# KiCad board EastECHO.kicad_pcb
title: EchoEAST; date: 2025-09-07; rev: 0.1; company: _RoseDaggerDev
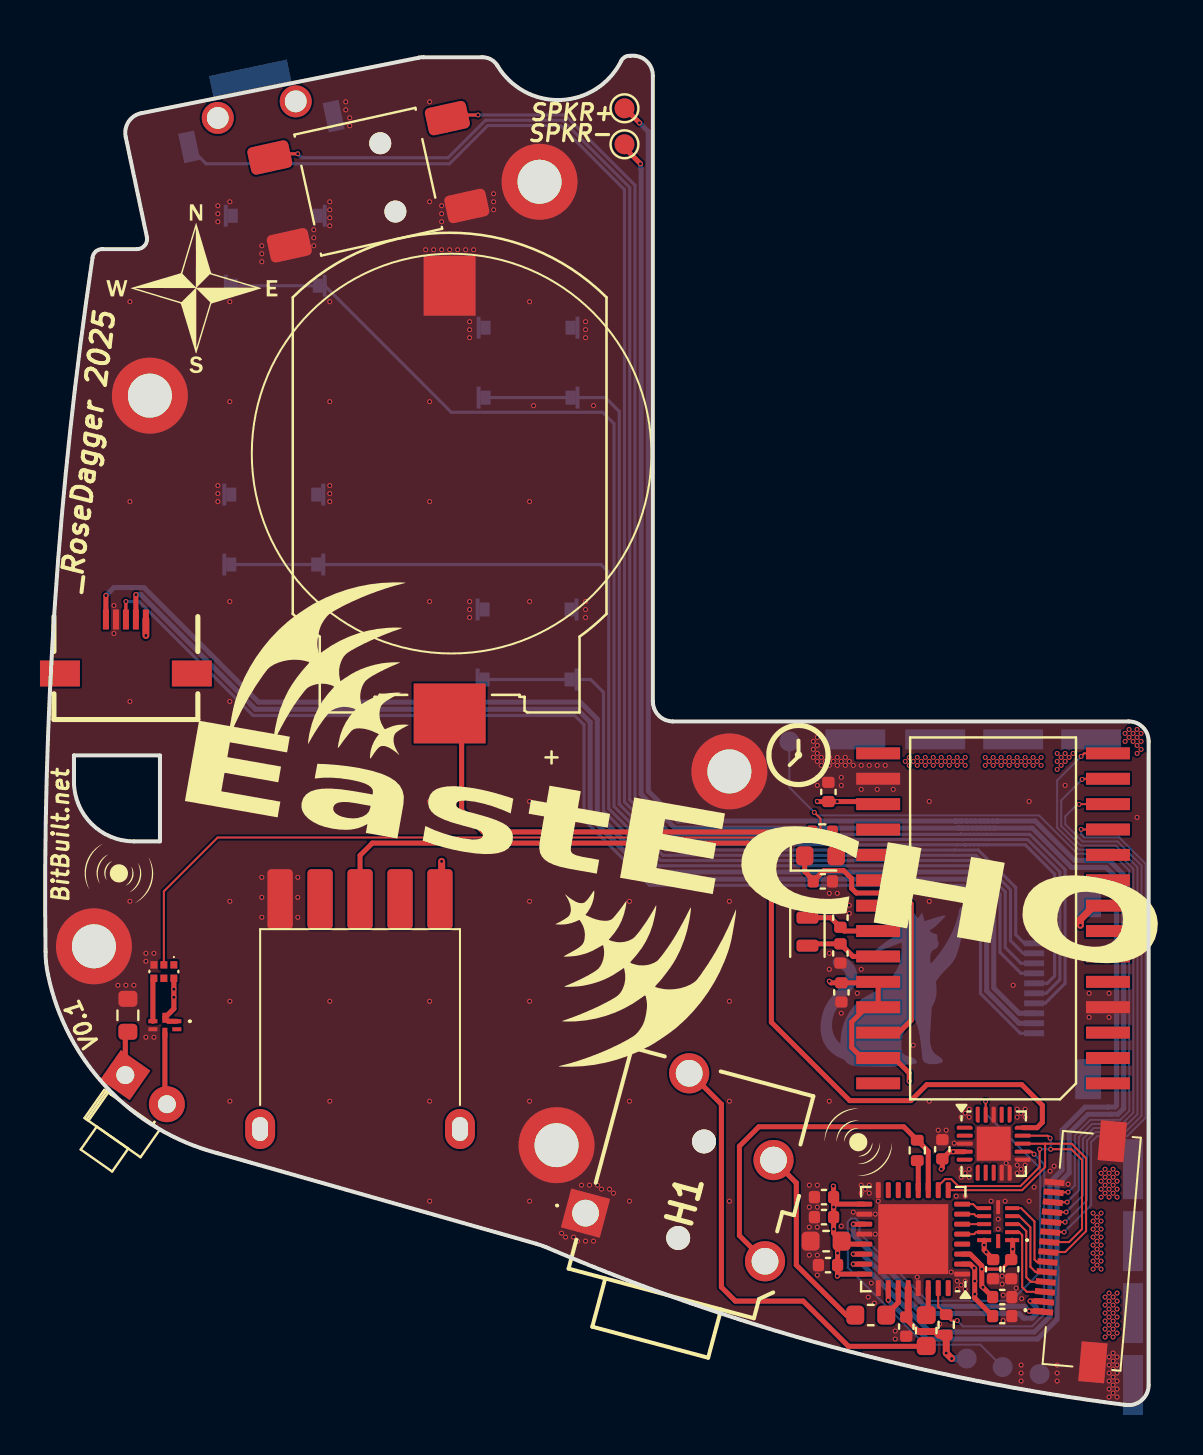
[diagram p0: board, top side]
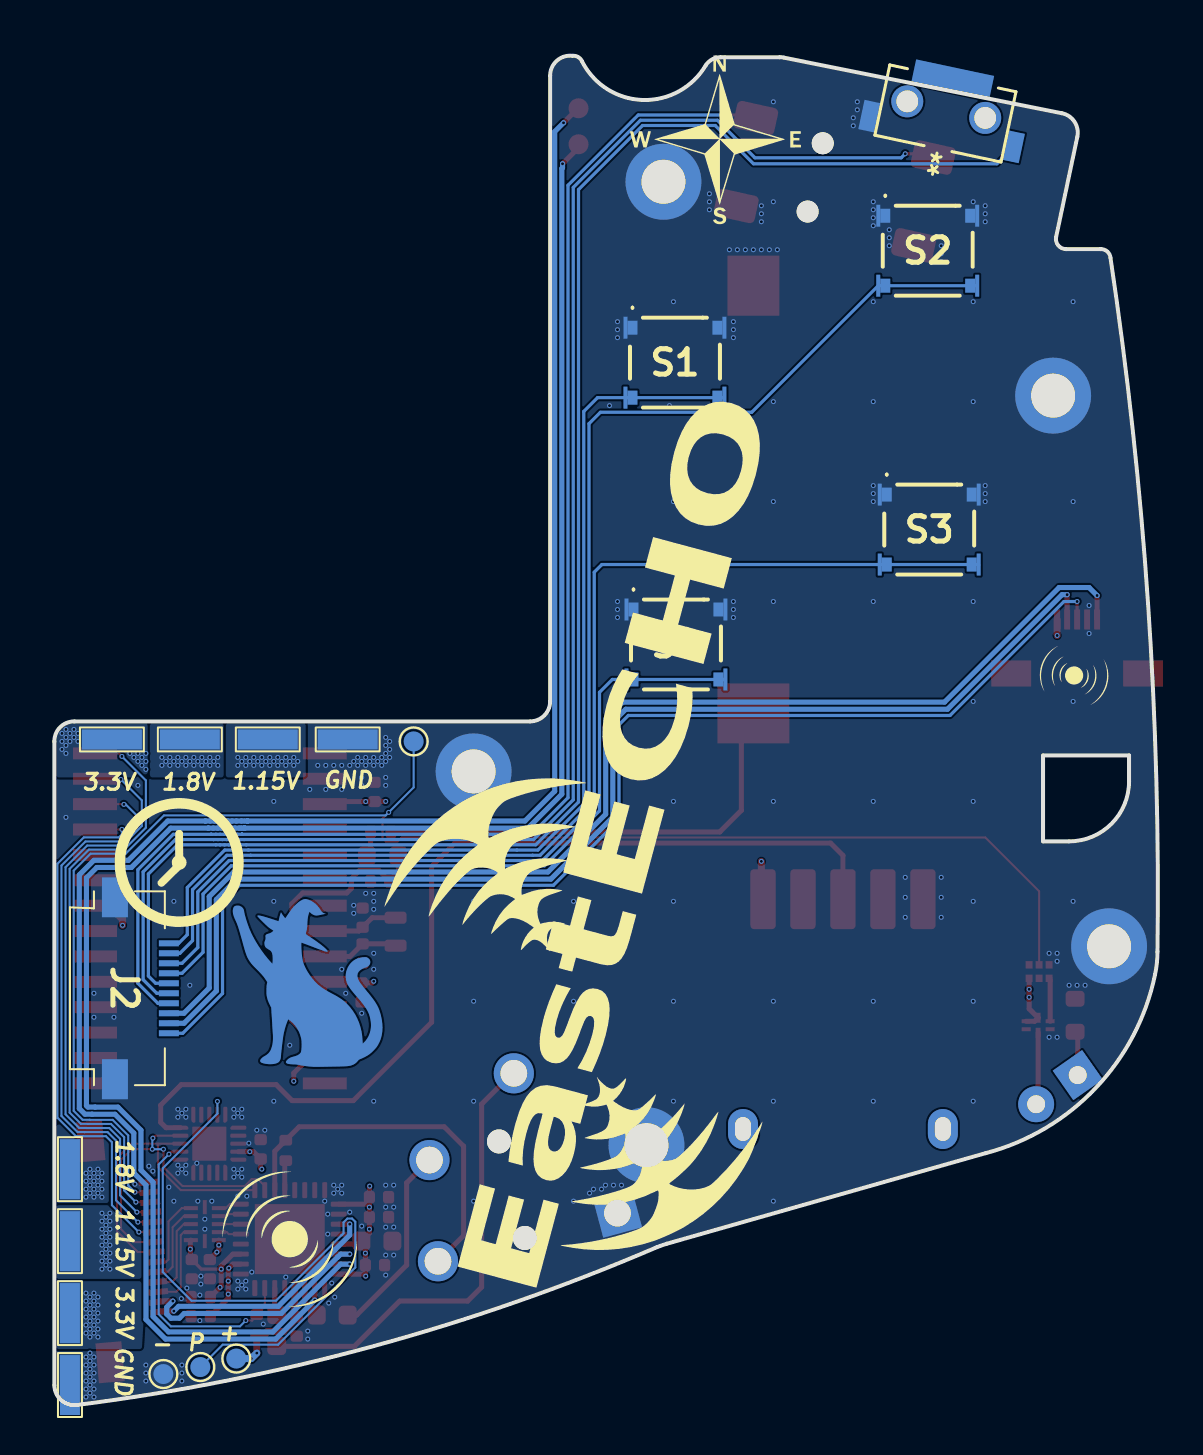
[diagram p1: board, bottom side, seen from below]

Outline 55.2 x 67.49 mm; copper layers: Top, In1.Cu, In2.Cu, Bottom. Coordinates in mm from the lower left corner of the outline.
Outline path: 0,22.67 arc(0.47,40.07) 2.35,57.38 arc(2.51,57.7) 2.85,57.82 4.58,57.82 arc(4.97,58.01) 5.07,58.43 4.01,63.44 arc(4.15,64.19) 4.79,64.62 18.69,67.4 arc(18.8,67.42) 18.9,67.42 21.85,67.42 arc(22.27,67.32) 22.6,67.02 arc(25.75,65.28) 28.8,67.22 arc(28.99,67.43) 29.27,67.49 arc(30.05,67.25) 30.39,66.5 30.39,35.19 arc(30.68,34.49) 31.39,34.19 54.2,34.19 arc(54.91,33.9) 55.2,33.19 55.2,0.98 arc(54.84,0.22) 54.02,0 arc(39.25,2.93) 25.04,7.89 arc(24.8,7.98) 24.55,8.06 8.6,12.59 arc(3.09,15.85) 0.12,21.53 arc(0.03,22.09) 0,22.67 ; 1.42,32.49 1.42,31.19 arc(2.3,29.07) 4.42,28.19 5.72,28.19 5.72,32.49 1.42,32.49
Stack: Top 0.035mm / dielectric 0.1mm FR4 er 4.5 / In1.Cu 0.035mm / dielectric 0.24mm FR4 er 4.5 / In2.Cu 0.035mm / dielectric 0.1mm FR4 er 4.5 / Bottom 0.035mm

## Placement (name value [footprint] x y rotation side)
C1  4p  [C_0402_1005Metric]  39.77 22.58 270 top
C2  0.1µF  [C_0402_1005Metric]  48.32 6.78 270 top
C3  0.1µF  [C_0402_1005Metric]  47.42 6.78 270 top
C4  4p  [C_0402_1005Metric]  39.77 24.37 90 top
C5  0.1µF  [C_0402_1005Metric]  47.88 5.39 0 top
C6  100n  [C_0402_1005Metric]  39.82 20.63 270 top
C7  100n  [C_0402_1005Metric]  39.17 30.66 90 top
C8  0.1µF  [C_0402_1005Metric]  43.07 3.91 270 top
C9  0.1µF  [C_0402_1005Metric]  44.88 12.78 90 top
C10  0.1µF  [C_0402_1005Metric]  38.96 10.39 180 top
C11  0.1µF  [C_0402_1005Metric]  39.16 6.99 180 top
C12  0.1µF  [C_0402_1005Metric]  38.96 9.39 180 top
C13  10µF  [C_0603_1608Metric]  39.06 8.19 180 top
C14  47µF  [C_0603_1608Metric]  41.29 4.49 180 top
C15  47µF  [C_0603_1608Metric]  44.07 3.72 270 top
C18  0.1µF  [C_0402_1005Metric]  47.88 4.44 0 top
C19  C_Small  [C_0402_1005Metric]  38.89 26.19 0 top
D1  D_Small  [D_0603_1608Metric]  38.77 27.46 0 top
D2  LED  [LED_D1.8mm_W1.8mm_H2.4mm_Horizontal_O1.27mm_Z8.2mm]  3.99 16.5 325 top
G***  -  [LOGO]  3.67 26.59 30 top
G***#2  -  [LOGO]  29.22 20.99 350 top
G***#3  -  [LOGO]  14.48 37.07 170 top
G***#4  -  [LOGO]  7.32 55.84 0 top
G***#5  -  [LOGO]  37.67 32.49 0 top
G***#6  -  [LOGO]  40.67 13.14 0 top
G***#7  -  [LOGO]  22.12 63.29 180 bottom
G***#8  -  [LOGO]  48.97 27.09 180 bottom
G***#9  -  [LOGO]  4.17 36.49 150 bottom
G***#10  -  [LOGO]  32.77 27.73 20 bottom
G***#11  -  [LOGO]  25.68 11.36 200 bottom
G***#12  -  [LOGO]  42.92 21.29 180 bottom
G***#13  -  [LOGO]  43.42 8.29 180 bottom
H1  SJ3-35094A  [SJ335094A]  27.02 9.59 75 top
H2  MountingHole_Pad  [MountingHole_2.2mm_M2_DIN965_Pad]  25.57 12.99 0 top
H3  MountingHole_Pad  [MountingHole_2.2mm_M2_DIN965_Pad]  5.22 50.49 0 top
H4  MountingHole_Pad  [MountingHole_2.2mm_M2_DIN965_Pad]  24.72 61.19 0 top
H5  MountingHole_Pad  [MountingHole_2.2mm_M2_DIN965_Pad]  34.22 31.69 0 top
H6  MountingHole_Pad  [MountingHole_2.2mm_M2_DIN965_Pad]  2.42 22.94 0 top
IC6  74LVC1G04GM,115  [PESD3V3L5UF115]  5.92 21.68 180 top
IC9  -  [TPS22995RZFR]  5.97 18.99 270 top
J1  Conn_01x05_Socket  [5051100592]  4.02 37.04 0 top
J2  505110-1092  [5051101092]  51.94 20.84 270 bottom
J3  S8421-45R  [HARWIN_S8421-45R]  20.22 47.49 0 top
J5  505110-1492  [5051101492]  52.8 7.67 85 top
R1  4.7k  [R_0402_1005Metric]  45.07 4 270 top
R2  4.7k  [R_0402_1005Metric]  43.62 12.73 270 top
R3  R_Small  [R_0402_1005Metric]  38.86 28.66 0 top
R4  18  [R_0603_1608Metric]  4.12 19.49 90 top
RV2  R_Potentiometer  [B103_Potentiometer]  15.74 16.3 270 top
S1  -  [TL3315NF100Q]  24.15 52.14 180 bottom
S2  -  [TL3315NF100Q]  11.5 57.74 180 bottom
S3  -  [TL3315NF100Q]  11.42 43.79 180 bottom
S4  -  [TL3315NF100Q]  24.09 38.04 180 bottom
SW1  GC_Two_State_Switch  [GC_Two_state_switch]  16.15 61.19 282.5 top
TP1  SPKL-  [TestPoint_Pad_D1.0mm]  37.22 33.19 180 bottom
TP2  TestPoint  [TestPoint_Pad_3x1.0mm]  40.52 33.29 180 bottom
TP3  TestPoint  [TestPoint_Pad_3x1.0mm]  52.32 33.29 180 bottom
TP5  TestPoint  [TestPoint_Pad_3x1.0mm]  48.42 33.29 180 bottom
TP10  TestPoint  [TestPoint_Pad_3x1.0mm]  44.52 33.29 180 bottom
TP15  SPKR-  [TestPoint_Pad_D1.0mm]  28.97 64.86 0 top
TP16  SPKR+  [TestPoint_Pad_D1.0mm]  28.97 63.06 0 top
TP27  3.3V  [TestPoint_Pad_D1.0mm]  46.09 2.31 270 bottom
TP28  UPDI  [TestPoint_Pad_D1.0mm]  47.9 1.89 270 bottom
TP30  GND  [TestPoint_Pad_D1.0mm]  49.75 1.54 270 bottom
TP34  TestPoint  [TestPoint_Pad_3x1.0mm]  54.42 11.79 90 bottom
TP35  TestPoint  [TestPoint_Pad_3x1.0mm]  54.42 4.59 90 bottom
TP36  TestPoint  [TestPoint_Pad_3x1.0mm]  54.42 8.19 90 bottom
TP37  TestPoint  [TestPoint_Pad_3x1.0mm]  54.42 0.99 90 bottom
U1  -  [TXU0104RUTR]  47.67 9.04 180 top
U3  TLV320AIC3100  [VQFN-32-1EP_5x5mm_P0.5mm_EP3.5x3.5mm]  43.42 8.29 180 top
U4  ATTINY1616-MNR  [VQFN-20-1EP_3x3mm_P0.4mm_EP1.7x1.7mm]  47.44 13.06 0 top
U5  ~  [MX_CHIP]  47.41 24.34 90 top
U6  KSC441V2 70SH SPDELTA LFS  [SW3_KSC441V2]  10.8 63.71 12 bottom
Y1  32.768k  [Crystal_SMD_2012-2Pin_2.0x1.2mm]  38.12 23.67 270 top

## Library data of the parts
C1-C15 C18 C19 = -: Description: Unpolarized capacitor, small symbol; ki_fp_filters: C_*
D1 = -: Description: Diode, small symbol; Sim.Device: D; Sim.Pins: 1=K 2=A; ki_fp_filters: TO-???* *_Diode_* *SingleDiode* D_*
D2 = -: Description: Light emitting diode; Sim.Pins: 1=K 2=A; ki_fp_filters: LED* LED_SMD:* LED_THT:*
H1 = -: Datasheet: https://www.sameskydevices.com/product/resource/sj3-3509x.pdf; Description: 3.50mm (0.141", 1/8", Mini Plug) - Headphone Phone Jack Stereo (4 Conductor, TRRS) Connector Solder; Height: 6.2; Mouser Part Number: 179-SJ3-35094A; Mouser Price/Stock: https://www.mouser.co.uk/ProductDetail/Same-Sky/SJ3-35094A?qs=IKkN%2F947nfA8GkuzO%2F2WRA%3D%3D; Manufacturer_Name: Same Sky
H2-H6 = -: Description: Mounting Hole with connection; ki_fp_filters: MountingHole*Pad*
IC6 = -: Datasheet: https://assets.nexperia.com/documents/data-sheet/74LVC1G04.pdf; Description: 74LVC1G04 - Single inverter@en-us; Height: 0.5; Mouser Part Number: 771-LVC1G04GM115; Mouser Price/Stock: https://www.mouser.co.uk/ProductDetail/Nexperia/74LVC1G04GM115?qs=me8TqzrmIYXvgrQ5OHD1Cw%3D%3D; Manufacturer_Name: Nexperia
IC9 = -: Datasheet: https://www.ti.com/general/docs/suppproductinfo.tsp?distId=26&gotoUrl=https://www.ti.com/lit/gpn/tps22995; Description: Power Switch ICs - Power Distribution; Height: 0.8; Mouser Part Number: 595-TPS22995RZFR; Mouser Price/Stock: https://www.mouser.co.uk/ProductDetail/Texas-Instruments/TPS22995RZFR?qs=rQFj71Wb1eVPl%2Fzruf4rsQ%3D%3D; Manufacturer_Name: Texas Instruments
J1 = -: Description: Generic connector, single row, 01x05, script generated; ki_fp_filters: Connector*:*_1x??_*
J2 = -: Datasheet: https://www.molex.com/webdocs/datasheets/pdf/en-us/5051101092_FFC_FPC_CONNECTORS.pdf; Description: Molex Easy-On Series 0.5mm Pitch 10 Way Right Angle SMT Male FPC Connector, ZIF Bottom Contact; Height: 0; Mouser Part Number: 538-505110-1092; Mouser Price/Stock: https://www.mouser.co.uk/ProductDetail/Molex/505110-1092?qs=BA62vJVifGrjJfo6A8tlOw%3D%3D; Manufacturer_Name: Molex
J3 = -: PARTREV: 7; STANDARD: Manufacturer Recommendations; MAXIMUM_PACKAGE_HEIGHT: 5.30mm; MANUFACTURER: Harwin
J5 = -: Datasheet: https://www.molex.com/pdm_docs/sd/5051101492_sd.pdf; Description: Molex Easy-On Series 0.5mm Pitch 14 Way Right Angle SMT Male FPC Connector, ZIF Bottom Contact; Height: 3.95; Mouser Part Number: 538-505110-1492; Mouser Price/Stock: https://www.mouser.co.uk/ProductDetail/Molex/505110-1492?qs=RawsiUxJOFRayVL4TsmiFw%3D%3D; Manufacturer_Name: Molex
R1-R4 = -: Description: Resistor, small symbol; ki_fp_filters: R_*
RV2 = -: Description: Potentiometer; ki_fp_filters: Potentiometer*
S1-S4 = -: Datasheet: https://configured-product-images.s3.amazonaws.com/2D/specs/TL3315NF100Q.pdf; Description: TACT, 50mA, 15VDC SPST-NO, Off-(On) Surface Mount; Height: 0.85; Mouser Part Number: 612-TL3315NF100Q; Mouser Price/Stock: https://www.mouser.co.uk/ProductDetail/E-Switch/TL3315NF100Q?qs=g35H13458KZZxv0XYR2YuQ%3D%3D; Manufacturer_Name: E-Switch
SW1 = -: Description: Double Pole Single Throw (DPST) Switch
TP1 TP15 TP16 TP27 TP28 TP30 = -: ki_fp_filters: Pin* Test*
TP2 TP3 TP5 TP10 TP34-TP37 = -: Description: test point; ki_fp_filters: Pin* Test*
U1 = -: Height: 0.5; Manufacturer_Name: TI
U3 = -: Datasheet: http://www.ti.com/lit/ds/symlink/tlv320aic3100.pdf; Description: Low Power Audio Codec with Audio Processing and Mono Class‑D Amplifier, VQFN-32; ki_fp_filters: VQFN*1EP*5x5mm*P0.5mm*
U4 = -: Datasheet: http://ww1.microchip.com/downloads/en/DeviceDoc/ATtiny3216_ATtiny1616-data-sheet-40001997B.pdf; Description: 20MHz, 16kB Flash, 2kB SRAM, 256B EEPROM, VQFN-20; ki_fp_filters: VQFN*1EP*3x3mm*P0.4mm*
U6 = -: ki_fp_filters: SW3_KSC441V2
Y1 = -: Description: Two pin crystal; ki_fp_filters: Crystal*

## Footprints (pads in the part's own frame, mm; a bottom-side part is the same pattern mirrored in y, then rotated)
5051100592
  rect 0.3x1 smd: 1(-1,2.252) 2(-0.5,2.252) 3(0,2.252) 4(0.5,2.252) 5(1,2.252)
  rect 2x1.3 smd: 6(-3.3,-0.448) 7(3.3,-0.448)
5051101092
  rect 0.3x1 smd: 1(-2.25,2.475) 2(-1.75,2.475) 3(-1.25,2.475) 4(-0.75,2.475) 5(-0.25,2.475) 6(0.25,2.475) 7(0.75,2.475) 8(1.25,2.475) 9(1.75,2.475) 10(2.25,2.475)
  rect 2x1.3 smd: 11(-4.55,-0.225) 12(4.55,-0.225)
5051101492
  rect 0.3x1 smd: 1(-3.25,2.605) 2(-2.75,2.605) 3(-2.25,2.605) 4(-1.75,2.605) 5(-1.25,2.605) 6(-0.75,2.605) 7(-0.25,2.605) 8(0.25,2.605) 9(0.75,2.605) 10(1.25,2.605) 11(1.75,2.605) 12(2.25,2.605) 13(2.75,2.605) 14(3.25,2.605)
  rect 2x1.3 smd: MP1(-5.55,-0.095) MP2(5.55,-0.095)
B103_Potentiometer
  rrect 3x1.27 smd: 1(-9,4) 2(-9,0) 3(-9,-4) X(-9,2) X(-9,-2)
  oval 2x1.5 hole 1.2x0.8: 6(2.5,5) 6(2.5,-5)
C_0402_1005Metric
  rrect 0.56x0.62 smd: 1(-0.48,0) 2(0.48,0)
C_0603_1608Metric
  rrect 0.9x0.95 smd: 1(-0.775,0) 2(0.775,0)
Crystal_SMD_2012-2Pin_2.0x1.2mm
  rrect 0.6x1.1 smd: 1(-0.7,0) 2(0.7,0)
D_0603_1608Metric
  rrect 0.875x0.95 smd: 1(-0.787,0) 2(0.787,0)
GC_Two_state_switch
  round 1.1 hole 1.1 unplated: (-1.75,1) (1.75,1)
  rrect 1.4x2.1 smd: 1(-2.25,4.55) 2(-2.25,-4.55) C(2.25,4.55) C(2.25,-4.55)
HARWIN_S8421-45R
  rect 2.6x3 smd: N(0,8.5)
  rect 3.6x3 smd: P(0,-12.9)
LED_D1.8mm_W1.8mm_H2.4mm_Horizontal_O1.27mm_Z8.2mm
  rect 1.8x1.8 hole 0.9: 1(0,0)
  round 1.8 hole 0.9: 2(2.54,0)
MountingHole_2.2mm_M2_DIN965_Pad
  round 3.8 hole 2.2: 1(0,0)
MX_CHIP
  rect 0.6x2.2 smd: 1(-8.255,-5.75) 2(-6.985,-5.75) 3(-5.715,-5.75) 4(-4.445,-5.75) 5(-3.175,-5.75) 6(-1.905,-5.75) 7(-0.635,-5.75) 8(0.635,-5.75) 9(1.905,-5.75) 10(3.175,-5.75) 11(4.445,-5.75) 12(5.715,-5.75) 13(6.985,-5.75) 14(8.255,-5.75) 15(8.255,5.75) 16(6.985,5.75) 17(5.715,5.75) 18(4.445,5.75) 19(3.175,5.75) 20(1.905,5.75) 21(0.635,5.75) 22(-0.635,5.75) 23(-1.905,5.75) 24(-3.175,5.75) 25(-4.445,5.75) 26(-5.715,5.75) 27(-6.985,5.75) 28(-8.255,5.75)
PESD3V3L5UF115
  rect 0.35x0.37 smd: 1(-0.5,-0.337) 2(0,-0.337) 3(0.5,-0.337) 4(0.5,0.337) 5(0,0.337) 6(-0.5,0.337)
R_0402_1005Metric
  rrect 0.54x0.64 smd: 1(-0.51,0) 2(0.51,0)
R_0603_1608Metric
  rrect 0.8x0.95 smd: 1(-0.825,0) 2(0.825,0)
SJ335094A
  round 1.2 hole 1.2 unplated: (0,-4.8) (5,-4.8)
  rect 2.01x2.01 hole 1.34: 1(0,0)
  round 2.01 hole 1.34: 2(5,-8.4) 3(8.1,-3.2) 4(0,-9.3)
SW3_KSC441V2
  rect 0.813x1.499 smd: 1(-3.696,0) 2(3.696,0)
  rect 3.988x1.245 smd: 3(0,-2.642)
  round 1.6 hole 1.092: 4(1.994,-1.118) 5(-1.994,-1.118)
TestPoint_Pad_3x1.0mm
  rect 3x1 smd: 1(0,0)
TestPoint_Pad_D1.0mm
  round 1 smd: 1(0,0)
TL3315NF100Q
  rect 0.5x0.7 smd: 1(-2.125,1.75) 2(2.125,1.75) 3(-2.125,-1.75) 4(2.125,-1.75)
  rect 0.2x1.1 smd: 5(-2.475,1.75) 6(2.475,1.75) 7(-2.475,-1.75) 8(2.475,-1.75)
TPS22995RZFR
  rect 0.2x0.45 smd: 1(-0.2,0.6) 3(-0.2,-0.6) 4(0.2,-0.6) 6(0.2,0.6)
  rect 0.5x0.25 smd: 2(-0.375,0) 5(0.375,0)
TXU0104RUTR
  rect 0.7x0.2 smd: 1(-0.7,0.8) 2(-0.7,0.4) 3(-0.7,0) 4(-0.7,-0.4) 5(-0.7,-0.8) 7(0.7,-0.8) 8(0.7,-0.4) 9(0.7,0) 10(0.7,0.4) 11(0.7,0.8)
  rect 0.2x0.7 smd: 6(0,-0.85) 12(0,0.85)
VQFN-20-1EP_3x3mm_P0.4mm_EP1.7x1.7mm
  rrect 0.69x0.69 smd: (-0.425,0.425) (-0.425,-0.425) (0.425,0.425) (0.425,-0.425)
  custom 0.8x0.2 smd: 1(-1.45,0.8) 5(-1.45,-0.8) 11(1.45,-0.8) 15(1.45,0.8)
  rrect 0.8x0.2 smd: 2(-1.45,0.4) 3(-1.45,0) 4(-1.45,-0.4) 12(1.45,-0.4) 13(1.45,0) 14(1.45,0.4)
  custom 0.2x0.8 smd: 6(-0.8,-1.45) 10(0.8,-1.45) 16(0.8,1.45) 20(-0.8,1.45)
  rrect 0.2x0.8 smd: 7(-0.4,-1.45) 8(0,-1.45) 9(0.4,-1.45) 17(0.4,1.45) 18(0,1.45) 19(-0.4,1.45)
  rect 1.7x1.7 smd: 21(0,0)
VQFN-32-1EP_5x5mm_P0.5mm_EP3.5x3.5mm
  rrect 1.41x1.41 smd: (-0.875,0.875) (-0.875,-0.875) (0.875,0.875) (0.875,-0.875)
  rrect 0.8x0.25 smd: 1(-2.45,1.75) 2(-2.45,1.25) 3(-2.45,0.75) 4(-2.45,0.25) 5(-2.45,-0.25) 6(-2.45,-0.75) 7(-2.45,-1.25) 8(-2.45,-1.75) 17(2.45,-1.75) 18(2.45,-1.25) 19(2.45,-0.75) 20(2.45,-0.25) 21(2.45,0.25) 22(2.45,0.75) 23(2.45,1.25) 24(2.45,1.75)
  rrect 0.25x0.8 smd: 9(-1.75,-2.45) 10(-1.25,-2.45) 11(-0.75,-2.45) 12(-0.25,-2.45) 13(0.25,-2.45) 14(0.75,-2.45) 15(1.25,-2.45) 16(1.75,-2.45) 25(1.75,2.45) 26(1.25,2.45) 27(0.75,2.45) 28(0.25,2.45) 29(-0.25,2.45) 30(-0.75,2.45) 31(-1.25,2.45) 32(-1.75,2.45)
  rect 3.5x3.5 smd: 33(0,0)

## Nets
+1V8: C2.1 C5.1 RV2.1 TP5.1 TP34.1 U1.1 U3.3
+1V15: TP10.1 TP36.1
+3V3: C3.1 C6.1 C7.1 C8.1 C9.1 C10.1 C11.1 C12.1 C13.1 C18.1 IC6.6 IC9.1 IC9.2 J1.5 R1.2 TP3.1 TP27.1 TP35.1 U1.11 U3.2 U3.17 U3.21 U3.24 U3.28 U4.4 U5.8 U5.17 U5.24 U5.25 U5.27
GND: C1.2 C2.2 C3.2 C4.2 C5.2 C6.2 C7.2 C8.2 C9.2 C10.2 C11.2 C12.2 C13.2 C18.2 C19.2 H1.1 H2.1 H3.1 H4.1 H5.1 H6.1 IC6.3 IC9.4 J1.2 J2.11 J2.12 J3.N J5.14 J5.MP1 J5.MP2 R4.2 RV2.3 S1.1 S1.2 S1.5 S1.6 S2.1 S2.2 S2.5 S2.6 S3.1 S3.2 S3.5 S3.6 S4.1 S4.2 S4.5 S4.6 SW1.C TP2.1 TP30.1 TP37.1 U1.6 U3.1 U3.16 U3.18 U3.20 U3.25 U3.29 U3.33 U4.3 U4.9 U4.10 U4.11 U4.18 U4.21 U5.4 U5.16 U6.2
VDDIO_EXT: U1.12
/Scampi/C: U1.8 U3.7
/Scampi/D: U1.10 U3.5
/Scampi/M: U1.7 U3.8
/Scampi/W: U1.9 U3.6
A_BUTTON: J2.1 S1.3 S1.4 S1.7 S1.8
B_BUTTON: J2.2 S2.3 S2.4 S2.7 S2.8
C_IN: J5.5 U1.4
D_IN: J5.3 U1.2
HPD: IC6.2 J5.13 TP1.1
HPL: C14.2 H1.2
HPR: C15.2 H1.3
HPS: H1.4 R2.1 U3.11
M_IN: J5.6 U1.5
MX11: J5.9 U5.11
MX12: J5.10 U5.12
MX13: J5.11 U5.13
MX14: J5.12 U5.14
R1_BUTTON: J2.5 U6.1
R2_1_BUTTON: J2.6 SW1.2
R2_2_BUTTON: J2.7 SW1.1
RES: R1.1 U3.31 U4.12
RS_3: J1.3 J2.10
RS_X: J1.1 J2.8
RS_Y: J1.4 J2.9
SCL: J5.8 U3.10 U4.14
SDA: J5.7 U3.9 U4.13
SPKL+: J5.2 U3.22
SPKL-: J5.1 U3.19
SPKR+: TP15.1 U3.26
SPKR-: TP16.1 U3.23
UPDI: TP28.1 U4.19
W_IN: J5.4 U1.3
X_BUTTON: J2.3 S3.3 S3.4 S3.7 S3.8
Y_BUTTON: J2.4 S4.3 S4.4 S4.7 S4.8
Net-(C1-Pad1): C1.1 U5.23 Y1.2
Net-(C4-Pad1): C4.1 U5.22 Y1.1
Net-(D1-A): D1.2 R3.2
Net-(D1-K): C19.1 D1.1 U5.26
Net-(D2-A): D2.2 IC9.5
Net-(D2-K): D2.1 R4.1
Net-(IC6-Y): IC6.4 IC9.3
Net-(J3-PadP): J3.P R3.1
Net-(U3-HPL): C14.1 U3.27
Net-(U3-HPR): C15.1 U3.30
Net-(U3-MICBIAS): R2.2 U3.12
Net-(U4-PC0): RV2.2 U4.15

Pads without a net: IC6 1 5; IC9 6; J1 6 7; RV2 6 X; U3 4 13 14 15 32; U4 1 2 5 6 7 8 16 17 20; U5 1 2 3 5 6 7 9 10 15 18 19 20 21 28; U6 3 4 5

## Via types
v1: diameter 0.25, hole 0.15, Top to Bottom, 466 vias

## Routing (per net, layer and track width the routed paths; a pad name or vN(x,y) marks a point on that pad's centre or on a via; arc(x,y) is an arc through that point)
+1V8: length 38.9
  Top w0.16: C2.1 47.84,6.79 v1(46.85,6.79)
  Top w0.25: C5.1 v1(46.91,5.88) 46.85,5.93 v1(46.85,6.79) 46.85,6.96 46.27,7.54 U3.3 ; 48.4,7.27 v1(48.4,7.79) 48.4,8.22 U1.1
  Top w0.35: v1(19.82,27.19) 19.82,25.38
  In2.Cu w0.35: v1(47.02,32.39) 47.02,33.79 46.9,33.91 26.54,33.91 v1(19.82,27.19)
  vias: v1(47.02,31.99) v1(47.22,32.19) v1(47.42,32.39) v1(47.42,31.99) v1(47.62,32.19) v1(47.82,32.39) v1(47.82,31.99) v1(48.02,32.19) v1(48.22,32.39) v1(48.22,31.99) v1(48.42,32.19) v1(48.62,32.39) v1(48.62,31.99) v1(48.82,32.19) v1(49.02,32.39) v1(49.02,31.99) v1(49.22,32.19) v1(49.42,32.39) v1(49.42,31.99) v1(49.62,32.19) v1(49.82,32.39) v1(49.82,31.99) v1(52.82,11.59) v1(52.82,11.19) v1(52.82,10.79) v1(52.82,10.39) v1(53.02,11.79) v1(53.02,11.39) v1(53.02,10.99) v1(53.02,10.59) v1(53.22,11.59) v1(53.22,11.19) v1(53.22,10.79) v1(53.22,10.39) v1(53.42,11.79) v1(53.42,11.39) v1(53.42,10.99) v1(53.42,10.59) v1(53.62,11.59) v1(53.62,11.19) v1(53.62,10.79) v1(53.62,10.39)
+1V15:
  vias: v1(43.02,32.19) v1(43.22,32.39) v1(43.22,31.99) v1(43.42,32.19) v1(43.62,32.39) v1(43.62,31.99) v1(43.82,32.19) v1(44.02,32.39) v1(44.02,31.99) v1(44.22,32.19) v1(44.42,32.39) v1(44.42,31.99) v1(44.62,32.19) v1(44.82,32.39) v1(44.82,31.99) v1(45.02,32.19) v1(45.22,32.39) v1(45.22,31.99) v1(45.42,32.19) v1(45.62,32.39) v1(45.62,31.99) v1(45.82,32.19) v1(46.02,32.39) v1(46.02,31.99) v1(52.42,9.59) v1(52.42,9.19) v1(52.42,8.79) v1(52.42,8.39) v1(52.42,7.99) v1(52.42,7.59) v1(52.42,7.19) v1(52.42,6.79) v1(52.62,9.39) v1(52.62,8.99) v1(52.62,8.59) v1(52.62,8.19) v1(52.62,7.79) v1(52.62,7.39) v1(52.62,6.99) v1(52.82,9.59) v1(52.82,9.19) v1(52.82,8.79) v1(52.82,8.39) v1(52.82,7.99) v1(52.82,7.59) v1(52.82,7.19) v1(52.82,6.79)
+3V3: length 39.3
  Top w0.25: C18.1 46.5,5.34 v1(46.5,5.54) v1(46.5,6.19) 46.5,6.81 v1(46.47,6.84) 46.27,7.04 U3.2 ; 39.63,7.99 v1(39.63,7.59) C11.1 39.63,6.45 v1(39.62,6.44) ; v1(38.62,30.19) 38.63,30.18 C7.1 v1(39.62,30.18) 41.53,30.18 ; 41.08,19.89 40.34,19.15 40.34,17.88 40.86,17.35 ; v1(39.22,21.19) 39.3,21.11 C6.1 41.61,21.11 ; v1(44.82,11.79) 44.88,11.84 C9.1 45.23,12.66 v1(45.42,12.66) U4.4 ; v1(39.42,10.94) 39.44,10.92 C10.1 v1(39.44,9.89) C12.1 v1(39.44,8.79) 39.44,8.59 C13.1 ; v1(43.22,16.19) 43.22,16.6 42.46,17.35 ; U1.11 v1(46.97,7.99) 46.97,7.74 v1(47.07,7.64) 47.44,7.27 ; U5.24 U5.25
  Top w0.254: U3.17 39.48,10.04 39.44,9.99 C12.1 ; IC9.1 6.15,19.19 IC9.2 6.42,19.81 v1(6.42,20.39) v1(6.42,20.79) IC6.6 ; U3.24 39.63,6.54 C11.1 ; 43.07,4.27 43.72,3.62 44.95,3.62 ; U3.21 39.98,8.04
  Top w0.35: U3.28 43.17,4.5 ; 52.48,24.97 51.79,24.28 v1(51.79,23.99) ; 43.72,3.67 44.53,3.67 44.71,3.5 R1.2 v1(45.07,2.59) v1(45.34,2.31) ; v1(5.02,38.49) J1.5
  Bottom w0.35: v1(45.07,2.59) v1(45.34,2.31) TP27.1
  vias: v1(50.62,32.59) v1(50.62,32.19) v1(50.62,31.79) v1(50.82,32.39) v1(50.82,31.99) v1(51.02,32.59) v1(51.02,32.19) v1(51.22,32.39) v1(51.42,32.59) v1(53.02,5.39) v1(53.02,4.99) v1(53.02,4.59) v1(53.02,4.19) v1(53.02,3.79) v1(53.02,3.39) v1(53.22,5.59) v1(53.22,5.19) v1(53.22,4.79) v1(53.22,4.39) v1(53.22,3.99) v1(53.22,3.59) v1(53.42,5.39) v1(53.42,4.99) v1(53.42,4.59) v1(53.42,4.19) v1(53.42,3.79) v1(53.42,3.39) v1(53.62,5.59) v1(53.62,5.19) v1(53.62,4.79) v1(53.62,4.39) v1(53.62,3.99) v1(53.62,3.59) v1(54.02,33.59) v1(54.02,33.19) v1(54.22,33.79) v1(54.22,33.39) v1(54.42,33.59) v1(54.42,33.19) v1(54.62,33.79) v1(54.62,33.39) v1(54.62,32.99) v1(54.62,32.59) v1(54.82,33.59) v1(54.82,33.19) v1(54.82,32.79)
GND:
  vias: v1(3.42,39.99) v1(3.42,38.59) v1(3.62,20.99) v1(4.02,20.99) v1(4.22,55.19) v1(4.22,45.19) v1(4.22,35.19) v1(4.22,25.19) v1(4.42,20.99) v1(5.02,22.59) v1(5.02,22.19) v1(5.02,18.39) v1(5.42,22.59) v1(5.42,18.39) v1(8.62,59.99) v1(8.62,59.59) v1(8.62,59.19) v1(8.62,45.99) v1(8.62,45.59) v1(8.62,45.19) v1(9.22,60.19) v1(9.22,55.19) v1(9.22,50.19) v1(9.22,40.19) v1(9.22,35.19) v1(9.22,30.19) v1(9.22,25.19) v1(9.22,20.19) v1(9.22,15.19) v1(10.82,57.99) v1(10.82,57.59) v1(10.82,57.19) v1(10.82,26.39) v1(10.82,25.39) v1(10.82,24.39) v1(12.62,26.39) v1(12.62,25.39) v1(12.62,24.39) v1(13.42,58.79) v1(13.42,58.39) v1(13.42,57.99) v1(14.22,60.19) v1(14.22,59.79) v1(14.22,59.39) v1(14.22,58.99) v1(14.22,55.19) v1(14.22,50.19) v1(14.22,45.99) v1(14.22,45.59) v1(14.22,45.19) v1(14.22,40.19) v1(14.22,30.19) v1(14.22,20.19) v1(14.22,15.19) v1(15.02,65.19) v1(15.02,64.79) v1(15.22,64.39) v1(15.22,63.99) v1(19.02,57.79) v1(19.22,65.19) v1(19.22,60.19) v1(19.22,50.19) v1(19.22,45.19) v1(19.22,40.19) v1(19.22,30.19) v1(19.22,20.19) v1(19.22,15.19) v1(19.22,10.19) v1(19.42,57.79) v1(19.82,59.99) v1(19.82,59.59) v1(19.82,59.19) v1(19.82,57.79) v1(20.22,57.79) v1(20.62,57.79) v1(21.02,57.79) v1(21.22,54.19) v1(21.22,53.79) v1(21.22,53.39) v1(21.22,40.19) v1(21.22,39.79) v1(21.22,39.39) v1(21.42,57.79) v1(22.42,60.59) v1(22.42,60.19) v1(22.42,59.79) v1(24.22,55.19) v1(24.22,45.19) v1(24.22,40.19) v1(24.22,30.19) v1(24.22,25.19) v1(24.22,20.19) v1(24.22,15.19) v1(24.22,10.19) v1(24.42,49.99) v1(25.82,8.59) v1(26.02,8.39) v1(26.42,8.39) v1(26.62,8.19) v1(26.82,10.99) v1(27.02,54.19) v1(27.02,53.79) v1(27.02,53.39) v1(27.02,40.19) v1(27.02,39.79) v1(27.02,39.39) v1(27.02,8.19) v1(27.22,10.99) v1(27.42,49.99) v1(27.42,8.19) v1(27.62,10.99) v1(27.82,10.79) v1(28.22,10.79) v1(28.42,10.59) v1(29.22,25.19) v1(29.22,20.19) v1(29.22,15.19) v1(29.22,10.19) v1(34.22,25.19) v1(34.22,20.19) v1(34.22,15.19) v1(34.22,10.19) v1(38.22,10.99) v1(38.22,9.89) v1(38.22,8.89) v1(38.22,7.49) v1(38.42,33.19) v1(38.42,32.79) v1(38.42,32.39) v1(38.62,33.39) v1(38.62,32.99) v1(38.62,32.59) v1(38.62,32.19) v1(38.62,31.39) v1(38.62,30.99) v1(38.62,10.99) v1(38.62,9.89) v1(38.62,8.89) v1(38.62,7.49) v1(38.62,6.49) v1(38.82,32.39) v1(38.82,31.99) v1(39.02,32.19) v1(39.22,32.39) v1(39.22,31.99) v1(39.22,25.59) v1(39.22,25.19) v1(39.22,24.79) v1(39.22,22.59) v1(39.22,21.79) v1(39.22,15.19) v1(39.42,32.19) v1(39.62,32.39) v1(39.62,31.99) v1(39.62,25.59) v1(39.82,32.19) v1(39.82,31.39) v1(39.82,30.99) v1(39.82,19.59) v1(39.82,8.94) v1(40.02,32.39) v1(40.02,31.99) v1(40.22,32.19) v1(40.22,24.99) v1(40.22,24.59) v1(40.42,31.99) v1(40.42,9.64) v1(40.62,20.59) v1(40.82,31.99) v1(40.82,30.79) v1(40.82,21.79) v1(40.82,10.99) v1(40.82,10.59) v1(41.02,10.79) v1(41.17,5.39) v1(41.22,31.99) v1(41.22,10.99) v1(41.22,10.59) v1(41.32,6.09) v1(41.47,5.09) v1(41.52,9.54) v1(41.52,8.54) v1(41.62,31.99) v1(41.62,30.79) v1(41.67,10.19) v1(42.02,31.99) v1(42.42,30.79) v1(42.52,3.69) v1(42.52,3.29) v1(43.42,17.99) v1(43.62,6.39) v1(44.22,30.19) v1(44.22,25.19) v1(44.22,15.19) v1(44.67,13.74) v1(44.75,4.04) v1(45.07,13.74) v1(45.32,6.64) v1(45.47,13.09) v1(45.57,10.44) v1(45.62,6.19) v1(45.62,5.79) v1(45.82,14.79) v1(45.82,14.39) v1(45.82,11.79) v1(45.82,11.39) v1(45.82,5.99) v1(46.02,14.59) v1(46.02,11.59) v1(46.02,10.44) v1(46.02,6.19) v1(46.02,5.79) v1(46.22,14.79) v1(46.22,14.39) v1(46.22,11.79) v1(46.22,11.39) v1(47.32,10.19) v1(47.67,9.29) v1(47.67,8.79) v1(47.87,6.44) v1(47.87,6.04) v1(47.92,5.49) v1(47.92,4.22) v1(48.07,12.09) v1(48.02,10.19) v1(48.42,20.99) v1(48.57,5.84) v1(48.62,14.79) v1(48.62,14.39) v1(48.62,11.99) v1(48.62,11.59) v1(48.82,14.59) v1(48.82,11.79) v1(48.84,5.31) v1(48.82,1.99) v1(48.82,1.59) v1(48.82,1.19) v1(49.02,14.79) v1(49.02,14.39) v1(49.02,11.99) v1(49.02,11.59) v1(49.22,30.19) v1(49.22,25.19) v1(49.22,10.19) v1(49.47,10.89) v1(50.27,11.69) v1(50.47,11.94) v1(50.62,1.99) v1(50.62,1.59) v1(50.62,1.19) v1(51.02,30.99) v1(51.17,11.04) v1(52.22,20.59) v1(52.22,19.39) v1(53.22,20.59) v1(53.22,19.39) v1(53.22,2.39) v1(53.22,1.99) v1(53.22,1.59) v1(53.22,1.19) v1(53.22,0.79) v1(53.22,0.39) v1(53.42,2.59) v1(53.42,2.19) v1(53.42,1.79) v1(53.42,1.39) v1(53.42,0.99) v1(53.42,0.59) v1(53.62,2.39) v1(53.62,1.99) v1(53.62,1.59) v1(53.62,1.19) v1(53.62,0.79) v1(53.62,0.39) v1(54.62,29.39)
/Scampi/C: length 1.1
  Top w0.102: U1.8 46.57,9.44 46.47,9.54 U3.7
/Scampi/D: length 1.1
  Top w0.102: U3.5 46.47,8.54 46.57,8.64 U1.10
/Scampi/M: length 1.2
  Top w0.102: U1.7 46.62,9.84 46.42,10.04 U3.8
/Scampi/W: length 1.1
  Top w0.102: U1.9 U3.6
A_BUTTON: length 52
  Bottom w0.16: J2.1 48.98,23.09 48.55,23.52 48.55,25.88 46.67,27.76 45.49,27.76 31,27.76 28.71,30.05 28.71,49.7 28.02,50.39 S1.3 S1.8
B_BUTTON: length 67
  Bottom w0.16: J2.2 48.92,22.59 48.29,23.22 48.29,25.77 46.56,27.49 45.38,27.49 45.38,27.49 31.27,27.49 30.89,27.49 28.45,29.94 28.45,49.09 27.88,49.66 20.3,49.66 S2.7 S2.8
C_IN: length 4
  Top w0.102: U1.4 48.73,9.44 49.28,8.88 49.28,6.91 49.54,6.65 50.04,6.65
D_IN: length 4
  Top w0.102: 49.6,5.66 49.1,5.66 48.87,5.88 48.87,8.49 48.73,8.64 U1.2
HPD: length 79.2
  Top w0.102: IC6.2 5.92,25.69 8.61,28.38 37.82,28.38 38.01,28.19 38.61,28.19 38.78,28.35 38.78,29.33 v1(38.47,29.64) ; J5.13 51.16,10.63 v1(51.17,10.64)
  Bottom w0.102: v1(51.17,10.64) 51.5,10.97 51.5,13.48 52.28,14.26 53.42,14.26 53.43,14.26 53.79,14.26 54.23,14.71 54.23,26.73 53.39,27.57 51.63,27.57 49.71,29.49 38.62,29.49 v1(38.47,29.64) 37.22,30.89 TP1.1
HPL: length 9.7
  Top w0.254: H1.2 37.57,11.1 37.57,6.99 40.07,4.49 C14.2
HPR: length 22.9
  Top w0.254: 44.06,2.93 40.18,2.93 37.92,5.19 34.52,5.19 33.82,5.89 33.82,15.04 32.27,16.59 H1.3
HPS: length 18.6
  Top w0.25: H1.4 34.72,8.47 34.72,12.94 35.69,13.91 42.95,13.91 R2.1 44.17,12.69 U3.11
M_IN: length 4
  Top w0.102: J5.6 49.61,7.15 49.49,7.27 49.49,9.18 48.82,9.84 U1.5
MX11: length 27.1
  Top w0.102: v1(51.82,28.79) 51.83,28.78 U5.11 ; J5.9 v1(50.97,8.64)
  Bottom w0.102: v1(51.82,28.79) 51.82,28.54 51.97,28.39 53.73,28.39 55.05,27.07 55.05,14.37 54.12,13.44 53.77,13.44 53.77,13.44 52.62,13.44 52.32,13.14 52.32,9.99 v1(50.97,8.64)
MX12: length 28.5
  Top w0.102: v1(51.72,30.04) 51.73,30.05 U5.12 ; v1(51.02,9.14) 51.02,9.14 J5.10
  Bottom w0.102: v1(51.02,9.14) 52.12,10.24 52.12,13.22 52.54,13.64 53.68,13.64 53.68,13.65 54.04,13.65 54.84,14.45 54.84,26.98 53.64,28.19 51.89,28.19 51.03,29.04 51.03,29.44 51.63,30.04 v1(51.72,30.04)
MX13: length 29.1
  Top w0.102: v1(51.07,9.64) 51.07,9.64 J5.11 ; v1(51.87,31.29) 51.9,31.32 U5.13
  Bottom w0.102: v1(51.87,31.29) 50.82,30.24 50.82,28.96 51.8,27.98 53.56,27.98 54.64,26.9 54.64,14.54 53.95,13.85 53.6,13.85 53.59,13.85 52.45,13.85 51.91,13.31 51.91,10.48 v1(51.07,9.64)
MX14: length 29.8
  Top w0.102: U5.14 51.97,32.59 v1(51.82,32.44) ; v1(51.12,10.14) 51.11,10.13 J5.12
  Bottom w0.102: v1(51.82,32.44) 50.62,31.24 50.62,28.87 51.72,27.78 53.47,27.78 54.44,26.81 54.44,14.62 53.87,14.06 53.51,14.06 53.51,14.05 52.37,14.05 51.71,13.39 51.71,10.73 v1(51.12,10.14)
R1_BUTTON: length 84.2
  Bottom w0.16: U6.1 8.03,62.09 20.21,62.09 22.13,64 25.76,64 28.97,60.8 28.97,30.16 31.11,28.02 46.03,28.02 47.12,28.02 49.03,28.02 50.49,26.56 50.49,21.45 50.13,21.09 J2.5
R2_1_BUTTON: length 80.7
  Top w0.16: v1(12.62,62.59) 11.41,62.59
  Bottom w0.16: v1(12.62,62.59) 12.82,62.39 20.14,62.39 22.02,64.27 25.87,64.27 29.23,60.91 29.23,30.27 31.22,28.28 45.92,28.28 49.14,28.28 50.76,26.66 50.76,21.27 50.07,20.59 J2.6
R2_2_BUTTON: length 72
  Top w0.16: v1(21.64,64.53) 20.26,64.53
  Bottom w0.16: J2.7 50.02,20.09 51.02,21.09 51.02,26.77 49.25,28.54 46.69,28.54 45.81,28.54 31.33,28.54 29.5,30.38 29.5,61.01 25.98,64.53 v1(21.64,64.53)
RES: length 15.7
  Top w0.102: R1.1 44.67,4.91 U3.31 ; 45.07,4.45 45.3,4.22 v1(45.62,4.22) ; 48.9,12.66 49.34,12.66 v1(49.47,12.54)
  Bottom w0.102: v1(49.47,12.54) 49.98,12.03 49.98,4.54 49.37,3.93 45.91,3.93 v1(45.62,4.22)
RS_3: length 60.8
  Top w0.16: v1(4.02,40.19) J1.3
  Bottom w0.16: J2.10 48.77,18.59 46.78,20.58 46.78,25.15 45.94,25.99 30.23,25.99 26.94,29.27 26.94,34.02 26.48,34.49 10.38,34.49 4.68,40.19 v1(4.02,40.19)
RS_X: length 62.1
  Top w0.254: v1(3.02,40.49) J1.1
  Bottom w0.254: v1(3.02,40.49) 3.42,40.89 4.92,40.89 10.65,35.16 26.75,35.16 27.61,34.3 27.61,29.55 30.5,26.66 46.22,26.66 47.45,25.43 47.45,20.86 48.72,19.59 J2.8
RS_Y: length 60.5
  Top w0.254: v1(4.52,40.53) J1.4
  Bottom w0.254: v1(4.52,40.53) 4.77,40.53 10.51,34.8 26.61,34.8 27.25,34.15 27.25,29.4 30.35,26.3 46.07,26.3 47.09,25.28 47.09,20.71 48.71,19.09 J2.9
SCL: length 16.4
  Top w0.102: J5.8 51.22,8.14 51.87,8.79 51.87,12.26 51.33,12.79 v1(50.3,12.79) ; 44.67,10.95 45.02,11.29 45.32,11.29 45.67,10.94 48.79,10.94 49.74,11.9 v1(49.74,12.79) ; 48.9,13.47 50.15,13.47 v1(50.27,13.34)
  Bottom w0.102: v1(49.74,12.79) v1(50.3,12.79) 50.3,13.31 v1(50.27,13.34)
SDA: length 15.9
  Top w0.102: 50.02,13.06 51.34,13.06 52.07,12.34 52.07,8.69 51.02,7.64 J5.7 ; 50.02,13.06 48.9,13.06 ; 50.02,13.06 50.02,11.89 48.87,10.74 U3.9
SPKL+: length 12.6
  Top w0.254: v1(49.27,5.19) 49.93,5.19 J5.2 ; U3.22 v1(40.42,7.54)
  Bottom w0.254: v1(49.27,5.19) 49.58,4.88 49.58,4.54 49.37,4.33 48.94,4.33 48.71,4.57 43.85,4.57 41.02,7.4 41.01,7.4 40.87,7.54 v1(40.42,7.54)
SPKL-: length 12.2
  Top w0.254: v1(49.22,4.69) 49.89,4.69 J5.1 ; U3.19 v1(40.42,9.04)
  Bottom w0.254: v1(49.22,4.69) 48.98,4.93 43.99,4.93 41.17,7.75 41.16,7.75 40.42,8.49 v1(40.42,9.04)
SPKR+: length 94.9
  Top w0.254: 29,64.86 v1(29.72,64.14) ; v1(42.17,5.24) U3.26
  Bottom w0.254: v1(42.17,5.24) 44.12,3.29 49.63,3.29 50.62,4.27 50.62,10.99 51.22,11.6 51.22,13.59 52.17,14.54 53.31,14.54 53.31,14.54 53.67,14.54 53.95,14.82 53.95,26.51 53.22,27.24 51.5,27.24 49.53,29.21 46.53,29.21 45.54,29.21 31.65,29.21 30.16,30.7 30.16,63.7 v1(29.72,64.14)
SPKR-: length 94.5
  Top w0.254: v1(40.42,7.04) U3.23 ; 28.97,62.89 v1(29.77,62.09)
  Bottom w0.254: v1(40.42,7.04) 40.87,7.04 44.27,3.65 49.49,3.65 50.26,4.42 50.26,11.14 50.87,11.75 50.87,13.74 52.02,14.89 53.16,14.89 53.16,14.9 53.52,14.9 53.59,14.97 53.59,26.37 53.08,26.88 51.35,26.88 49.38,28.85 46.38,28.85 45.69,28.85 31.5,28.85 29.81,30.55 29.81,61.85 29.77,61.89 v1(29.77,62.09)
UPDI: length 34.8
  Top w0.102: U4.19 47.04,15.17 v1(47.04,15.18)
  Bottom w0.102: v1(47.04,15.18) 47.04,14.57 49.77,11.84 49.77,6.64 48.34,5.21 44.11,5.21 40.83,8.49 40.83,8.49 40.73,8.58 40.73,9.13 40.54,9.32 40.3,9.32 40.14,9.16 40.14,6.87 44,3.01 46.78,3.01 TP28.1
W_IN: length 4
  Top w0.102: 49.81,6.15 49.31,6.15 49.08,6.38 49.08,8.69 48.73,9.04 U1.3
X_BUTTON: length 57.4
  Bottom w0.16: S3.8 27.8,42.04 28.18,41.66 28.18,29.83 30.78,27.23 46.46,27.23 48.02,25.66 48.02,22.88 48.81,22.09 J2.3
Y_BUTTON: length 39.1
  Bottom w0.16: J2.4 48.81,21.59 47.76,22.64 47.76,25.55 46.35,26.97 30.67,26.97 27.92,29.72 27.92,35.65 27.28,36.29 S4.8
Net-(C1-Pad1): length 3.7
  Top w0.25: 38.21,23.06 C1.1 40.4,22.43 U5.23
Net-(C4-Pad1): length 3.8
  Top w0.25: Y1.1 39.29,24.37 C4.1 39.96,23.7 U5.22
Net-(D1-A): length 1
  Top w0.25: R3.2 39.37,27.65
Net-(D1-K): length 15.2
  Top w0.25: C19.1 38.95,26.73 39.94,26.73 40.34,26.33 40.34,25.84 40.57,25.61 42.77,25.61 43.32,25.06 43.32,19.24 42.7,18.62 U5.26 ; 38.41,26.26 37.99,26.69 D1.1
Net-(D2-A): length 3.5
  Top w0.254: 5.97,15.14 IC9.5
Net-(D2-K): length 2
  Top w0.254: D2.1 3.99,18.53
Net-(IC6-Y): length 2.1
  Top w0.254: IC9.3 5.37,21.29
Net-(J3-PadP): length 22.8
  Top w0.254: 20.82,34.59 20.82,29.74 21.9,28.66 R3.1
Net-(U3-HPL): length 1.6
  Top w0.254: U3.27 42.67,5.12 42.07,4.51
Net-(U3-HPR): length 1.2
  Top w0.254: U3.30 44.17,4.59
Net-(U3-MICBIAS): length 1.4
  Top w0.25: U3.12 43.67,12.17
Net-(U4-PC0): length 49.2
  Top w0.25: RV2.2 15.74,27.49 16.35,28.1 35.16,28.1 36.32,26.94 36.32,19.14 40.24,15.22 43.3,15.22 44.1,16.02 48.85,16.02 49.88,14.99 49.88,14.13 49.62,13.86 48.9,13.86

## Copper pours and planes (outline as drawn; the poured copper is in the pictures)
+1V8 on Bottom: 55.22,9.99 52.42,9.99 52.42,13.19 52.62,13.39 54.02,13.39 55.02,14.39 55.22,14.39
+1V8 on Bottom: 50.42,34.19 50.42,31.39 46.62,31.39 46.62,34.19
+1V8 on In2.Cu: 52.62,9.99 53.82,9.99 53.82,11.79 50.02,31.79 50.02,34.19 46.42,34.19 46.62,31.79
+1V8 on In2.Cu: 53.02,9.99 53.82,9.99 53.82,5.79 47.42,4.79 46.82,5.39 46.62,6.79 48.02,8.39 50.02,9.19 50.96,6.59 53.02,6.59
+1V15 on Bottom: 46.62,34.19 46.62,31.39 42.62,31.39 42.62,34.19
+1V15 on Bottom: 55.22,9.99 52.42,9.99 50.62,8.39 50.62,6.19 55.22,6.19
+1V15 on In2.Cu: 46.42,34.19 42.82,34.19 42.82,31.79 50.96,6.59 53.02,6.59 53.02,9.99 52.62,9.99 46.62,31.79
+3V3 on Bottom: 55.22,6.19 50.62,6.19 50.82,2.79 55.22,2.79
+3V3 on Bottom: 50.42,34.19 50.42,31.39 55.22,31.39 55.22,34.19
+3V3 on In2.Cu: 58.22,78.19 58.22,-1.81 -4.78,-1.81 -5.38,-1.21 -5.38,78.19
GND on Top, Bottom, In1.Cu: 60.22,-3.21 -5.98,-3.21 -6.18,-3.01 -6.18,78.99 -5.38,79.79 59.62,79.79 60.22,79.19

## Text on the board
B.Fab: Battery
B.Silkscreen: GND | 1.15V | + | P | 1.8V | - | 3.3V | EastECHO
F.Silkscreen: SPKR- | SPKR+ | BitBuilt.net | V${REVISION} | _RoseDagger 2025 | EastECHO
